# KiCad board nyx.kicad_pcb (continued)
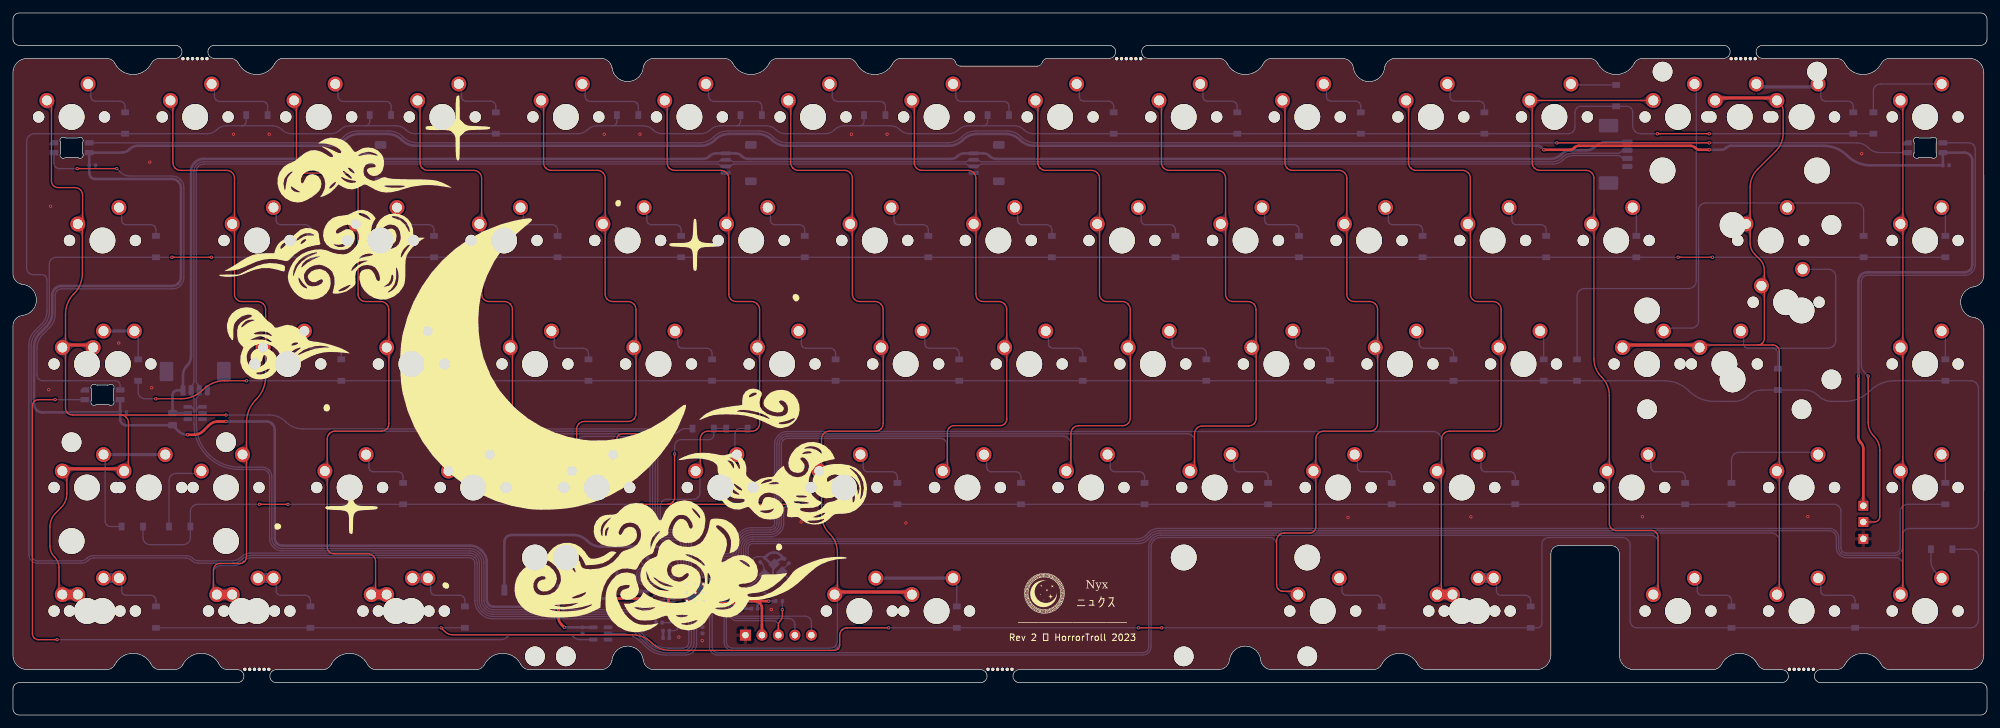
[diagram p0: board, top side]
## Copper pours and planes (outline as drawn; the poured copper is in the pictures) (continued)
Col10 on Bottom: 195.93,18.97 196.35,18.92 196.6,18.76 196.78,18.52 196.96,18.21 197.23,17.84 198.11,18.58 197.91,19.71 197.41,19.59 197.07,19.44 196.78,19.31 196.44,19.21 195.93,19.17
Col11 on Top: 224.78,73.51 224.81,73.98 224.89,74.31 225.03,74.58 225.19,74.89 225.38,75.33 224.3,75.73 223.42,74.99 223.77,74.65 224.09,74.43 224.34,74.23 224.51,73.95 224.58,73.51
Col11 on Top: 220.15,39.66 220.06,39.22 219.81,38.99 219.46,38.86 219.06,38.7 218.66,38.37 219.54,37.63 220.69,37.63 220.65,38.14 220.57,38.49 220.47,38.8 220.39,39.15 220.35,39.66
Col11 on Top: 219.62,17.83 220.15,17.81 220.52,17.75 220.83,17.66 221.2,17.56 221.72,17.44 221.92,18.58 221.72,19.71 221.2,19.6 220.83,19.5 220.52,19.41 220.15,19.35 219.62,19.33
Col11 on Top: 229.53,54.45 229.56,54.93 229.65,55.25 229.78,55.53 229.95,55.84 230.14,56.28 229.06,56.68 228.18,55.94 228.53,55.6 228.84,55.38 229.1,55.17 229.26,54.9 229.33,54.45
Col11 on Top: 224.58,77.95 224.51,77.5 224.34,77.23 224.09,77.03 223.77,76.81 223.42,76.47 224.3,75.73 225.38,76.12 225.19,76.57 225.03,76.88 224.89,77.15 224.81,77.47 224.78,77.95
Col11 on Top: 215.25,92.56 215.28,93.03 215.37,93.36 215.5,93.63 215.67,93.94 215.86,94.38 214.77,94.78 213.89,94.04 214.25,93.7 214.56,93.48 214.82,93.28 214.99,93 215.05,92.56
Col11 on Top: 220.3,35.56 220.31,35.98 220.33,36.28 220.38,36.54 220.47,36.83 220.62,37.23 219.54,37.63 218.66,36.89 219.05,36.55 219.44,36.38 219.77,36.23 220.01,36 220.1,35.56
Col11 on Top: 220.1,20.65 220.01,20.21 219.77,19.97 219.44,19.83 219.05,19.65 218.66,19.32 219.54,18.58 220.62,18.97 220.47,19.37 220.38,19.66 220.33,19.92 220.31,20.22 220.3,20.65
Col11 on Top: 229.33,58.9 229.26,58.46 229.1,58.18 228.84,57.98 228.53,57.76 228.18,57.42 229.06,56.68 230.14,57.07 229.95,57.52 229.78,57.83 229.65,58.1 229.56,58.43 229.53,58.9
Col11 on Top: 221.84,19.33 221.31,19.35 220.94,19.41 220.62,19.5 220.26,19.6 219.74,19.71 219.54,18.58 219.74,17.44 220.26,17.56 220.62,17.66 220.94,17.75 221.31,17.81 221.84,17.83
Col11 on Bottom: 220.1,39.7 220.01,39.26 219.77,39.02 219.44,38.88 219.05,38.7 218.66,38.37 219.54,37.63 220.62,38.02 220.47,38.42 220.38,38.71 220.33,38.97 220.31,39.27 220.3,39.7
Col12 on Top: 243.83,73.51 243.86,73.98 243.94,74.31 244.08,74.58 244.24,74.89 244.43,75.33 243.35,75.73 242.47,74.99 242.82,74.65 243.14,74.43 243.39,74.23 243.56,73.95 243.63,73.51
Col12 on Top: 234.3,92.56 234.33,93.03 234.42,93.36 234.55,93.63 234.72,93.94 234.91,94.38 233.82,94.78 232.94,94.04 233.3,93.7 233.61,93.48 233.87,93.28 234.04,93 234.1,92.56
Col12 on Top: 236.12,94.88 235.65,94.92 235.34,95.05 235.09,95.25 234.81,95.49 234.4,95.77 233.82,94.78 234.4,93.78 234.81,94.06 235.09,94.31 235.34,94.5 235.65,94.63 236.12,94.68
Col12 on Top: 250.57,94.68 251.05,94.63 251.36,94.5 251.61,94.31 251.89,94.06 252.3,93.78 252.88,94.78 252.3,95.77 251.89,95.49 251.61,95.25 251.36,95.05 251.05,94.92 250.57,94.88
Col12 on Top: 246,39.85 245.94,39.4 245.77,39.13 245.52,38.93 245.2,38.71 244.85,38.37 245.73,37.63 246.81,38.02 246.62,38.47 246.45,38.78 246.32,39.05 246.23,39.38 246.2,39.85
Col12 on Top: 253.5,20.6 253.4,20.16 253.15,19.94 252.8,19.81 252.39,19.65 251.99,19.32 252.87,18.58 254.02,18.58 253.99,19.08 253.91,19.44 253.81,19.74 253.73,20.09 253.7,20.6
Col12 on Top: 246.2,35.41 246.23,35.88 246.32,36.21 246.45,36.48 246.62,36.79 246.81,37.23 245.73,37.63 244.85,36.89 245.2,36.55 245.52,36.33 245.77,36.13 245.94,35.85 246,35.41
Col12 on Top: 243.63,77.95 243.56,77.5 243.39,77.23 243.14,77.03 242.82,76.81 242.47,76.47 243.35,75.73 244.43,76.12 244.24,76.57 244.08,76.88 243.94,77.15 243.86,77.47 243.83,77.95
Col12 on Bottom: 253.5,20.6 253.4,20.16 253.15,19.94 252.8,19.81 252.39,19.65 251.99,19.32 252.87,18.58 254.02,18.58 253.99,19.08 253.91,19.44 253.81,19.74 253.73,20.09 253.7,20.6
Col13 on Top: 272.2,20.8 272.14,20.35 271.97,20.08 271.71,19.88 271.4,19.66 271.04,19.32 271.92,18.58 273.01,18.97 272.82,19.42 272.65,19.73 272.52,20 272.43,20.32 272.4,20.8
Col13 on Top: 262.25,57.17 261.73,57.22 261.38,57.34 261.08,57.51 260.73,57.67 260.22,57.81 260.02,56.68 260.59,55.68 261.01,56.02 261.27,56.36 261.47,56.67 261.76,56.89 262.25,56.97
Col13 on Top: 269.9,68.39 269.83,67.94 269.64,67.68 269.36,67.49 269.03,67.28 268.66,66.94 269.54,66.2 270.62,66.6 270.45,67.03 270.3,67.34 270.19,67.61 270.12,67.93 270.1,68.39
Col13 on Top: 269.7,94.92 270.17,94.85 270.46,94.67 270.68,94.4 270.94,94.09 271.35,93.78 271.93,94.78 271.73,95.91 271.22,95.79 270.87,95.66 270.56,95.54 270.21,95.46 269.7,95.42
Col13 on Top: 272.2,39.85 272.14,39.4 271.97,39.13 271.71,38.93 271.4,38.71 271.04,38.37 271.92,37.63 273.01,38.02 272.82,38.47 272.65,38.78 272.52,39.05 272.43,39.37 272.4,39.85
Col13 on Top: 267.7,77.82 267.61,77.38 267.38,77.14 267.05,76.99 266.67,76.8 266.28,76.47 267.16,75.73 268.24,76.12 268.09,76.53 267.99,76.82 267.94,77.08 267.91,77.39 267.9,77.82
Col13 on Top: 257.79,56.82 258.26,56.75 258.55,56.57 258.77,56.3 259.03,55.99 259.44,55.68 260.02,56.68 259.82,57.81 259.31,57.69 258.96,57.56 258.66,57.44 258.3,57.36 257.79,57.32
Col13 on Top: 270.1,64.01 270.12,64.47 270.19,64.8 270.3,65.07 270.45,65.37 270.62,65.81 269.54,66.2 268.66,65.46 269.03,65.12 269.36,64.91 269.64,64.73 269.83,64.46 269.9,64.01
Col13 on Top: 250.34,57.32 249.83,57.36 249.47,57.44 249.17,57.56 248.82,57.69 248.31,57.81 248.11,56.68 248.69,55.68 249.1,55.99 249.36,56.3 249.58,56.57 249.87,56.75 250.34,56.82
Col13 on Top: 272.4,35.41 272.43,35.88 272.52,36.21 272.65,36.48 272.82,36.79 273.01,37.23 271.92,37.63 271.04,36.89 271.4,36.55 271.71,36.33 271.97,36.13 272.14,35.85 272.2,35.41
Col13 on Top: 267.9,73.63 267.91,74.07 267.94,74.37 267.99,74.63 268.09,74.93 268.24,75.33 267.16,75.73 266.28,74.99 266.67,74.65 267.05,74.47 267.38,74.32 267.61,74.08 267.7,73.63
Col13 on Top: 264.63,95.42 264.12,95.46 263.76,95.54 263.46,95.66 263.11,95.79 262.6,95.91 262.4,94.78 262.97,93.78 263.38,94.09 263.64,94.4 263.86,94.67 264.16,94.85 264.63,94.92
Col13 on Bottom: 272.2,20.8 272.14,20.35 271.97,20.08 271.71,19.88 271.4,19.66 271.04,19.32 271.92,18.58 273.01,18.97 272.82,19.42 272.65,19.73 272.52,20 272.43,20.32 272.4,20.8
Col14 on Top: 291.45,73.51 291.48,73.98 291.57,74.31 291.7,74.58 291.87,74.89 292.06,75.33 290.97,75.73 290.09,74.99 290.45,74.65 290.76,74.43 291.02,74.23 291.19,73.95 291.25,73.51
Col14 on Top: 291.45,54.46 291.48,54.93 291.57,55.26 291.7,55.53 291.87,55.84 292.06,56.28 290.97,56.68 290.09,55.94 290.45,55.6 290.76,55.38 291.02,55.18 291.19,54.9 291.25,54.46
Col14 on Top: 291.25,58.9 291.19,58.45 291.02,58.18 290.76,57.98 290.45,57.76 290.09,57.42 290.97,56.68 292.06,57.07 291.87,57.52 291.7,57.83 291.57,58.1 291.48,58.42 291.45,58.9
Col14 on Top: 291.25,77.95 291.19,77.5 291.02,77.23 290.76,77.03 290.45,76.81 290.09,76.47 290.97,75.73 292.06,76.12 291.87,76.57 291.7,76.88 291.57,77.15 291.48,77.47 291.45,77.95
Col14 on Top: 291.25,20.8 291.19,20.35 291.02,20.08 290.76,19.88 290.45,19.66 290.09,19.32 290.97,18.58 292.06,18.97 291.87,19.42 291.7,19.73 291.57,20 291.48,20.32 291.45,20.8
Col14 on Top: 291.45,35.41 291.48,35.88 291.57,36.21 291.7,36.48 291.87,36.79 292.06,37.23 290.97,37.63 290.09,36.89 290.45,36.55 290.76,36.33 291.02,36.13 291.19,35.85 291.25,35.41
Col14 on Top: 291.45,92.56 291.48,93.03 291.57,93.36 291.7,93.63 291.87,93.94 292.06,94.38 290.97,94.78 290.09,94.04 290.45,93.7 290.76,93.48 291.02,93.28 291.19,93 291.25,92.56
Col14 on Top: 291.25,39.85 291.19,39.4 291.02,39.13 290.76,38.93 290.45,38.71 290.09,38.37 290.97,37.63 292.06,38.02 291.87,38.47 291.7,38.78 291.57,39.05 291.48,39.37 291.45,39.85
Col14 on Bottom: 291.25,20.8 291.19,20.35 291.02,20.08 290.76,19.88 290.45,19.66 290.09,19.32 290.97,18.58 292.06,18.97 291.87,19.42 291.7,19.73 291.57,20 291.48,20.32 291.45,20.8
SWCLK on Bottom: 122.98,14.02 122.94,13.65 122.82,13.41 122.66,13.22 122.48,12.99 122.29,12.65 123.08,12.32 123.87,12.65 123.68,12.99 123.5,13.22 123.34,13.41 123.22,13.65 123.18,14.02
SWDIO on Bottom: 120.44,13.95 120.4,13.59 120.28,13.37 120.12,13.19 119.93,12.97 119.75,12.65 120.54,12.32 121.33,12.65 121.15,12.97 120.96,13.19 120.8,13.37 120.68,13.59 120.64,13.95
UG_LED on Top: 286.77,29.87 286.62,29.94 286.47,30.05 286.32,30.18 286.16,30.34 286.01,30.53 285.25,29.77 286.01,29.01 286.16,29.2 286.32,29.37 286.47,29.5 286.62,29.6 286.77,29.67
~{NRST} on Top: 117.9,13.83 117.85,13.51 117.73,13.3 117.57,13.14 117.39,12.95 117.21,12.65 118,12.32 118.79,12.65 118.61,12.95 118.43,13.14 118.27,13.3 118.15,13.51 118.1,13.83
~{NRST} on Bottom: 117.9,13.75 117.85,13.44 117.73,13.25 117.56,13.11 117.38,12.93 117.21,12.65 118,12.32 118.79,12.65 118.62,12.93 118.44,13.11 118.27,13.25 118.15,13.44 118.1,13.75
Net-(D1-A) on Bottom: 12.1,95.34 12.13,95.75 12.21,96.03 12.34,96.27 12.49,96.54 12.66,96.92 11.57,97.32 10.69,96.58 11.03,96.28 11.36,96.11 11.64,95.96 11.83,95.74 11.9,95.34
Net-(D2-A) on Bottom: 31.15,95.47 31.18,95.85 31.27,96.11 31.4,96.32 31.55,96.57 31.71,96.92 30.62,97.32 29.74,96.58 30.07,96.3 30.4,96.15 30.68,96.03 30.88,95.84 30.95,95.47
Net-(D3-A) on Bottom: 50.2,95.47 50.23,95.85 50.32,96.11 50.45,96.32 50.6,96.57 50.76,96.92 49.67,97.32 48.79,96.58 49.12,96.3 49.45,96.15 49.73,96.03 49.93,95.84 50,95.47
Net-(D4-A) on Bottom: 69.25,95.34 69.28,95.75 69.36,96.03 69.49,96.27 69.64,96.54 69.81,96.92 68.72,97.32 67.84,96.58 68.18,96.28 68.51,96.11 68.79,95.96 68.98,95.74 69.05,95.34
Net-(D5-A) on Bottom: 88.3,95.47 88.33,95.85 88.42,96.11 88.55,96.32 88.7,96.57 88.86,96.92 87.77,97.32 86.89,96.58 87.22,96.3 87.55,96.15 87.83,96.03 88.03,95.84 88.1,95.47
Net-(D6-A) on Bottom: 107.35,95.47 107.38,95.85 107.47,96.11 107.6,96.32 107.75,96.57 107.91,96.92 106.82,97.32 105.94,96.58 106.27,96.3 106.6,96.15 106.88,96.03 107.08,95.84 107.15,95.47
Net-(D7-A) on Bottom: 126.4,95.47 126.43,95.85 126.52,96.11 126.65,96.32 126.8,96.57 126.96,96.92 125.87,97.32 124.99,96.58 125.32,96.3 125.65,96.15 125.93,96.03 126.13,95.84 126.2,95.47
Net-(D8-A) on Bottom: 145.45,95.47 145.48,95.85 145.57,96.11 145.7,96.32 145.85,96.57 146.01,96.92 144.92,97.32 144.04,96.58 144.37,96.3 144.7,96.15 144.98,96.03 145.18,95.84 145.25,95.47
Net-(D9-A) on Bottom: 164.5,95.34 164.53,95.75 164.61,96.03 164.74,96.27 164.89,96.54 165.06,96.92 163.97,97.32 163.09,96.58 163.43,96.28 163.76,96.11 164.04,95.96 164.23,95.74 164.3,95.34
Net-(D10-A) on Bottom: 183.55,95.34 183.58,95.75 183.66,96.03 183.79,96.27 183.94,96.54 184.11,96.92 183.02,97.32 182.14,96.58 182.48,96.28 182.81,96.11 183.09,95.96 183.28,95.74 183.35,95.34
Net-(D11-A) on Bottom: 202.6,95.34 202.63,95.75 202.71,96.03 202.84,96.27 202.99,96.54 203.16,96.92 202.07,97.32 201.19,96.58 201.53,96.28 201.86,96.11 202.14,95.96 202.33,95.74 202.4,95.34
Net-(D12-A) on Bottom: 221.65,95.34 221.68,95.75 221.76,96.03 221.89,96.27 222.04,96.54 222.21,96.92 221.12,97.32 220.24,96.58 220.58,96.28 220.91,96.11 221.19,95.96 221.38,95.74 221.45,95.34
Net-(D13-A) on Bottom: 242.45,97.27 241.97,97.33 241.67,97.5 241.43,97.73 241.16,98.01 240.75,98.31 240.17,97.32 240.75,96.32 241.15,96.58 241.43,96.79 241.68,96.94 241.99,97.04 242.45,97.07
Net-(D14-A) on Bottom: 278.8,95.34 278.83,95.75 278.91,96.03 279.04,96.27 279.19,96.54 279.36,96.92 278.27,97.32 277.39,96.58 277.73,96.28 278.06,96.11 278.34,95.96 278.53,95.74 278.6,95.34
Net-(D14-A) on Bottom: 270.95,97.12 270.48,97.2 270.19,97.4 269.98,97.68 269.73,98 269.32,98.31 268.75,97.32 268.95,96.18 269.45,96.3 269.79,96.42 270.09,96.52 270.45,96.59 270.95,96.62
Net-(D14-A) on Bottom: 276.07,96.62 276.58,96.59 276.93,96.52 277.23,96.42 277.58,96.3 278.08,96.18 278.28,97.32 277.7,98.31 277.29,98 277.04,97.68 276.83,97.4 276.55,97.2 276.07,97.12
Net-(D15-A) on Bottom: 295.02,97.22 295.5,97.17 295.81,97.04 296.06,96.85 296.34,96.6 296.75,96.32 297.33,97.32 296.75,98.31 296.34,98.03 296.06,97.79 295.81,97.59 295.5,97.46 295.02,97.42
Net-(D16-A) on Bottom: 16.86,76.29 16.89,76.7 16.98,76.98 17.1,77.22 17.25,77.49 17.42,77.87 16.34,78.27 15.46,77.53 15.8,77.23 16.12,77.06 16.4,76.91 16.59,76.69 16.66,76.29
Net-(D17-A) on Bottom: 40.68,76.29 40.71,76.7 40.79,76.98 40.91,77.22 41.06,77.49 41.23,77.87 40.15,78.27 39.27,77.53 39.61,77.23 39.93,77.06 40.21,76.91 40.4,76.69 40.48,76.29
Net-(D18-A) on Bottom: 59.73,76.29 59.76,76.7 59.84,76.98 59.96,77.22 60.11,77.49 60.28,77.87 59.2,78.27 58.32,77.53 58.66,77.23 58.98,77.06 59.26,76.91 59.45,76.69 59.53,76.29
Net-(D19-A) on Bottom: 78.78,76.29 78.81,76.7 78.89,76.98 79.01,77.22 79.16,77.49 79.33,77.87 78.25,78.27 77.37,77.53 77.71,77.23 78.03,77.06 78.31,76.91 78.5,76.69 78.58,76.29
Net-(D20-A) on Bottom: 97.83,76.29 97.86,76.7 97.94,76.98 98.06,77.22 98.21,77.49 98.38,77.87 97.3,78.27 96.42,77.53 96.76,77.23 97.08,77.06 97.36,76.91 97.55,76.69 97.63,76.29
Net-(D21-A) on Bottom: 116.88,76.29 116.91,76.7 116.99,76.98 117.11,77.22 117.26,77.49 117.43,77.87 116.35,78.27 115.47,77.53 115.81,77.23 116.13,77.06 116.41,76.91 116.6,76.69 116.68,76.29
Net-(D22-A) on Bottom: 135.93,76.29 135.96,76.7 136.04,76.98 136.16,77.22 136.31,77.49 136.48,77.87 135.4,78.27 134.52,77.53 134.86,77.23 135.18,77.06 135.46,76.91 135.65,76.69 135.73,76.29
Net-(D23-A) on Bottom: 154.98,76.29 155.01,76.7 155.09,76.98 155.21,77.22 155.36,77.49 155.53,77.87 154.45,78.27 153.57,77.53 153.91,77.23 154.23,77.06 154.51,76.91 154.7,76.69 154.78,76.29
Net-(D24-A) on Bottom: 174.03,76.29 174.06,76.7 174.14,76.98 174.26,77.22 174.41,77.49 174.58,77.87 173.5,78.27 172.62,77.53 172.96,77.23 173.28,77.06 173.56,76.91 173.75,76.69 173.83,76.29
Net-(D25-A) on Bottom: 193.08,76.29 193.11,76.7 193.19,76.98 193.31,77.22 193.46,77.49 193.63,77.87 192.55,78.27 191.67,77.53 192.01,77.23 192.33,77.06 192.61,76.91 192.8,76.69 192.88,76.29
Net-(D26-A) on Bottom: 212.13,76.29 212.16,76.7 212.24,76.98 212.36,77.22 212.51,77.49 212.68,77.87 211.6,78.27 210.72,77.53 211.06,77.23 211.38,77.06 211.66,76.91 211.85,76.69 211.93,76.29
Net-(D27-A) on Bottom: 231.18,76.29 231.21,76.7 231.29,76.98 231.41,77.22 231.56,77.49 231.73,77.87 230.65,78.27 229.77,77.53 230.11,77.23 230.43,77.06 230.71,76.91 230.9,76.69 230.98,76.29
Net-(D28-A) on Bottom: 250.36,76.12 250.37,76.56 250.42,76.88 250.5,77.15 250.62,77.45 250.78,77.87 249.7,78.27 248.82,77.53 249.2,77.19 249.56,76.99 249.87,76.82 250.08,76.57 250.16,76.12
Net-(D29-A) on Bottom: 275.56,79.07 275.1,79.09 274.77,79.14 274.49,79.21 274.17,79.3 273.71,79.4 273.51,78.27 274.39,77.53 274.65,77.93 274.8,78.3 274.93,78.6 275.15,78.8 275.56,78.87
Net-(D29-A) on Bottom: 271.46,78.87 271.87,78.8 272.09,78.6 272.23,78.3 272.38,77.93 272.63,77.53 273.51,78.27 273.31,79.4 272.85,79.3 272.53,79.21 272.25,79.14 271.93,79.09 271.46,79.07
Net-(D29-A) on Bottom: 256.66,59.77 256.15,59.82 255.8,59.92 255.51,60.07 255.16,60.22 254.66,60.35 254.46,59.22 255.04,58.22 255.46,58.56 255.7,58.92 255.89,59.25 256.17,59.48 256.66,59.57
Net-(D30-A) on Bottom: 298,76.12 298.01,76.57 298.05,76.88 298.13,77.15 298.41,77.87 297.32,78.27 296.44,77.53 296.83,77.19 297.19,76.99 297.5,76.82 297.72,76.57 297.8,76.12
Net-(D31-A) on Bottom: 19.4,57.08 19.41,57.52 19.45,57.84 19.53,58.1 19.64,58.41 19.8,58.82 18.72,59.22 17.84,58.48 18.22,58.14 18.9,57.78 19.12,57.53 19.2,57.08
Net-(D31-A) on Bottom: 16.26,59.47 15.79,59.5 15.48,59.59 15.22,59.75 14.93,59.96 14.53,60.21 13.96,59.22 14.53,58.22 14.93,58.48 15.22,58.69 15.48,58.84 15.79,58.94 16.26,58.97
Net-(D31-A) on Bottom: 16.42,58.97 16.88,58.94 17.2,58.84 17.46,58.69 17.74,58.48 18.14,58.22 18.72,59.22 18.14,60.21 17.74,59.96 17.46,59.75 17.2,59.59 16.88,59.5 16.42,59.47
Net-(D32-A) on Bottom: 45.44,57.24 45.47,57.65 45.55,57.93 45.67,58.17 45.83,58.44 45.99,58.82 44.91,59.22 44.03,58.48 44.37,58.18 44.7,58.01 44.97,57.86 45.17,57.64 45.24,57.24
Net-(D33-A) on Bottom: 64.49,57.24 64.52,57.65 64.6,57.93 64.72,58.17 64.88,58.44 65.04,58.82 63.96,59.22 63.08,58.48 63.42,58.18 63.75,58.01 64.02,57.86 64.22,57.64 64.29,57.24
Net-(D34-A) on Bottom: 83.54,57.24 83.57,57.65 83.65,57.93 83.77,58.17 83.93,58.44 84.09,58.82 83.01,59.22 82.13,58.48 82.47,58.18 82.8,58.01 83.07,57.86 83.27,57.64 83.34,57.24
Net-(D35-A) on Bottom: 102.59,57.24 102.62,57.65 102.7,57.93 102.82,58.17 102.98,58.44 103.14,58.82 102.06,59.22 101.18,58.48 101.52,58.18 101.85,58.01 102.12,57.86 102.32,57.64 102.39,57.24
Net-(D36-A) on Bottom: 121.64,57.24 121.67,57.65 121.75,57.93 121.87,58.17 122.03,58.44 122.19,58.82 121.11,59.22 120.23,58.48 120.57,58.18 120.9,58.01 121.17,57.86 121.37,57.64 121.44,57.24
Net-(D37-A) on Bottom: 140.69,57.24 140.72,57.65 140.8,57.93 140.92,58.17 141.08,58.44 141.24,58.82 140.16,59.22 139.28,58.48 139.62,58.18 139.95,58.01 140.22,57.86 140.42,57.64 140.49,57.24
Net-(D38-A) on Bottom: 159.74,57.24 159.77,57.65 159.85,57.93 159.97,58.17 160.13,58.44 160.29,58.82 159.21,59.22 158.33,58.48 158.67,58.18 159,58.01 159.27,57.86 159.47,57.64 159.54,57.24
Net-(D39-A) on Bottom: 178.79,57.24 178.82,57.65 178.9,57.93 179.02,58.17 179.18,58.44 179.34,58.82 178.26,59.22 177.38,58.48 177.72,58.18 178.05,58.01 178.32,57.86 178.52,57.64 178.59,57.24
Net-(D40-A) on Bottom: 197.84,57.24 197.87,57.65 197.95,57.93 198.07,58.17 198.23,58.44 198.39,58.82 197.31,59.22 196.43,58.48 196.77,58.18 197.1,58.01 197.37,57.86 197.57,57.64 197.64,57.24
Net-(D41-A) on Bottom: 216.89,57.24 216.92,57.65 217,57.93 217.12,58.17 217.28,58.44 217.44,58.82 216.36,59.22 215.48,58.48 215.82,58.18 216.15,58.01 216.42,57.86 216.62,57.64 216.69,57.24
Net-(D42-A) on Bottom: 236.08,57.07 236.09,57.52 236.13,57.83 236.21,58.1 236.33,58.4 236.49,58.82 235.41,59.22 234.53,58.48 234.91,58.14 235.27,57.94 235.58,57.77 235.8,57.52 235.88,57.07
Net-(D43-A) on Bottom: 278.19,68.84 277.72,68.89 277.41,69.02 277.16,69.21 276.88,69.46 276.47,69.74 275.89,68.74 276.47,67.75 276.88,68.03 277.16,68.27 277.41,68.47 277.72,68.6 278.19,68.64
Net-(D43-A) on Bottom: 266.89,57.24 266.92,57.65 267.01,57.93 267.13,58.17 267.28,58.44 267.45,58.82 266.37,59.22 265.49,58.48 265.83,58.18 266.15,58.01 266.43,57.86 266.62,57.64 266.69,57.24
Net-(D44-A) on Bottom: 298,57.07 298.01,57.52 298.05,57.83 298.13,58.1 298.41,58.82 297.32,59.22 296.44,58.48 296.83,58.14 297.19,57.94 297.5,57.77 297.72,57.52 297.8,57.07
Net-(D45-A) on Bottom: 21.18,39.92 21.64,39.89 21.96,39.79 22.22,39.64 22.5,39.43 22.91,39.17 23.48,40.17 22.91,41.16 22.5,40.91 22.22,40.7 21.96,40.54 21.64,40.45 21.18,40.42
Net-(D45-A) on Bottom: 14.3,37.9 14.34,38.39 14.46,38.72 14.63,39 14.83,39.31 15.04,39.77 13.96,40.17 13.08,39.43 13.41,39.09 13.69,38.85 13.91,38.63 14.05,38.35 14.1,37.9
Net-(D45-A) on Bottom: 16.26,40.42 15.79,40.45 15.48,40.54 15.22,40.7 14.93,40.91 14.53,41.16 13.96,40.17 14.53,39.17 14.93,39.43 15.22,39.64 15.48,39.79 15.79,39.89 16.26,39.92
Net-(D46-A) on Bottom: 54.96,38.19 54.99,38.6 55.08,38.88 55.2,39.12 55.35,39.39 55.52,39.77 54.44,40.17 53.56,39.43 53.9,39.13 54.22,38.96 54.5,38.81 54.69,38.59 54.76,38.19
Net-(D47-A) on Bottom: 74.01,38.19 74.04,38.6 74.13,38.88 74.25,39.12 74.4,39.39 74.57,39.77 73.49,40.17 72.61,39.43 72.95,39.13 73.27,38.96 73.55,38.81 73.74,38.59 73.81,38.19
Net-(D48-A) on Top: 93,42.32 92.92,41.87 92.71,41.62 92.4,41.45 92.04,41.25 91.66,40.91 92.54,40.17 93.62,40.56 93.46,40.98 93.34,41.29 93.26,41.55 93.21,41.87 93.2,42.32
Net-(D49-A) on Bottom: 111.2,42.42 111.16,41.93 111.05,41.6 110.9,41.33 110.71,41.02 110.51,40.56 111.59,40.17 112.47,40.91 112.13,41.25 111.84,41.48 111.6,41.69 111.45,41.97 111.4,42.42
Net-(D50-A) on Bottom: 131.16,38.19 131.19,38.6 131.28,38.88 131.4,39.12 131.55,39.39 131.72,39.77 130.64,40.17 129.76,39.43 130.1,39.13 130.42,38.96 130.7,38.81 130.89,38.59 130.96,38.19
Net-(D51-A) on Bottom: 150.21,38.19 150.24,38.6 150.33,38.88 150.45,39.12 150.6,39.39 150.77,39.77 149.69,40.17 148.81,39.43 149.15,39.13 149.47,38.96 149.75,38.81 149.94,38.59 150.01,38.19
Net-(D52-A) on Bottom: 169.26,38.19 169.29,38.6 169.38,38.88 169.5,39.12 169.65,39.39 169.82,39.77 168.74,40.17 167.86,39.43 168.2,39.13 168.52,38.96 168.8,38.81 168.99,38.59 169.06,38.19
Net-(D53-A) on Bottom: 188.31,38.19 188.34,38.6 188.43,38.88 188.55,39.12 188.7,39.39 188.87,39.77 187.79,40.17 186.91,39.43 187.25,39.13 187.57,38.96 187.85,38.81 188.04,38.59 188.11,38.19
Net-(D54-A) on Bottom: 207.36,38.19 207.39,38.6 207.48,38.88 207.6,39.12 207.75,39.39 207.92,39.77 206.84,40.17 205.96,39.43 206.3,39.13 206.62,38.96 206.9,38.81 207.09,38.59 207.16,38.19
Net-(D55-A) on Bottom: 226.41,38.19 226.44,38.6 226.53,38.88 226.65,39.12 226.8,39.39 226.97,39.77 225.89,40.17 225.01,39.43 225.35,39.13 225.67,38.96 225.95,38.81 226.14,38.59 226.21,38.19
Net-(D56-A) on Bottom: 252.61,38.19 252.64,38.6 252.72,38.88 252.84,39.12 252.99,39.39 253.16,39.77 252.08,40.17 251.2,39.43 251.54,39.13 251.86,38.96 252.14,38.81 252.33,38.59 252.41,38.19
Net-(D57-A) on Bottom: 276.04,40.42 276.52,40.34 276.81,40.13 277.03,39.84 277.28,39.5 277.7,39.17 278.28,40.17 278.08,41.3 277.56,41.16 277.21,40.98 276.91,40.81 276.56,40.67 276.04,40.62
Net-(D58-A) on Bottom: 298,38.02 298.01,38.47 298.05,38.78 298.13,39.05 298.41,39.77 297.32,40.17 296.44,39.43 296.83,39.09 297.19,38.89 297.5,38.72 297.72,38.47 297.8,38.02
Net-(D59-A) on Bottom: 16.26,21.87 15.73,21.89 15.36,21.95 15.04,22.04 14.68,22.14 14.16,22.25 13.96,21.12 14.16,19.98 14.68,20.1 15.04,20.2 15.36,20.29 15.73,20.35 16.26,20.37
Net-(D59-A) on Bottom: 16.86,19.14 16.89,19.55 16.98,19.83 17.1,20.07 17.25,20.34 17.42,20.72 16.34,21.12 15.46,20.38 15.8,20.08 16.12,19.91 16.4,19.76 16.59,19.54 16.66,19.14
Net-(D59-A) on Bottom: 14.04,20.37 14.56,20.35 14.94,20.29 15.25,20.2 15.62,20.1 16.14,19.98 16.34,21.12 16.14,22.25 15.62,22.14 15.25,22.04 14.94,21.95 14.56,21.89 14.04,21.87
Net-(D60-A) on Bottom: 37.85,20.37 38.38,20.35 38.75,20.29 39.06,20.2 39.43,20.1 39.95,19.98 40.15,21.12 39.95,22.25 39.43,22.14 39.06,22.04 38.75,21.95 38.38,21.89 37.85,21.87
Net-(D60-A) on Bottom: 40.68,19.14 40.71,19.55 40.79,19.83 40.91,20.07 41.06,20.34 41.23,20.72 40.15,21.12 39.27,20.38 39.61,20.08 39.93,19.91 40.21,19.76 40.4,19.54 40.48,19.14
Net-(D60-A) on Bottom: 40.07,21.87 39.54,21.89 39.17,21.95 38.85,22.04 38.49,22.14 37.97,22.25 37.77,21.12 37.97,19.98 38.49,20.1 38.85,20.2 39.17,20.29 39.54,20.35 40.07,20.37
Net-(D61-A) on Bottom: 61.66,20.37 62.19,20.35 62.56,20.29 62.88,20.2 63.24,20.1 63.76,19.98 63.96,21.12 63.76,22.25 63.24,22.14 62.88,22.04 62.56,21.95 62.19,21.89 61.66,21.87
Net-(D61-A) on Bottom: 64.49,19.14 64.52,19.55 64.6,19.83 64.72,20.07 64.88,20.34 65.04,20.72 63.96,21.12 63.08,20.38 63.42,20.08 63.75,19.91 64.02,19.76 64.22,19.54 64.29,19.14
Net-(D61-A) on Bottom: 63.88,21.87 63.35,21.89 62.98,21.95 62.67,22.04 62.3,22.14 61.78,22.25 61.58,21.12 61.78,19.98 62.3,20.1 62.67,20.2 62.98,20.29 63.35,20.35 63.88,20.37
Net-(D62-A) on Bottom: 135.32,21.37 134.86,21.4 134.54,21.49 134.28,21.65 134,21.86 133.59,22.11 133.02,21.12 133.59,20.12 134,20.38 134.28,20.59 134.54,20.74 134.86,20.84 135.32,20.87
Net-(D62-A) on Bottom: 145.6,18.97 145.61,19.42 145.65,19.73 145.73,20 146.01,20.72 144.92,21.12 144.04,20.38 144.43,20.04 144.79,19.84 145.1,19.67 145.32,19.42 145.4,18.97
Net-(D62-A) on Bottom: 142.62,20.87 143.09,20.84 143.4,20.74 143.66,20.59 143.95,20.38 144.35,20.12 144.93,21.12 144.35,22.11 143.95,21.86 143.66,21.65 143.4,21.49 143.09,21.4 142.62,21.37
Net-(D63-A) on Bottom: 204.98,19.14 205.01,19.55 205.09,19.83 205.22,20.07 205.37,20.34 205.54,20.72 204.46,21.12 203.58,20.38 203.91,20.08 204.24,19.91 204.52,19.76 204.71,19.54 204.78,19.14
Net-(D64-A) on Bottom: 228.79,19.14 228.82,19.55 228.91,19.83 229.03,20.07 229.18,20.34 229.35,20.72 228.27,21.12 227.39,20.38 227.73,20.08 228.05,19.91 228.33,19.76 228.52,19.54 228.59,19.14
Net-(D64-A) on Bottom: 225.97,20.37 226.5,20.35 226.87,20.29 227.18,20.2 227.55,20.1 228.07,19.98 228.27,21.12 228.07,22.25 227.55,22.14 227.18,22.04 226.87,21.95 226.5,21.89 225.97,21.87
Net-(D64-A) on Bottom: 228.19,21.87 227.66,21.89 227.29,21.95 226.97,22.04 226.61,22.14 226.09,22.25 225.89,21.12 226.09,19.98 226.61,20.1 226.97,20.2 227.29,20.29 227.66,20.35 228.19,20.37
Net-(D65-A) on Bottom: 259.75,19.14 259.78,19.55 259.86,19.83 259.99,20.07 260.14,20.34 260.31,20.72 259.22,21.12 258.34,20.38 258.68,20.08 259.01,19.91 259.29,19.76 259.48,19.54 259.55,19.14
Net-(D66-A) on Bottom: 278.8,19.14 278.83,19.55 278.91,19.83 279.04,20.07 279.19,20.34 279.36,20.72 278.27,21.12 277.39,20.38 277.73,20.08 278.06,19.91 278.34,19.76 278.53,19.54 278.6,19.14
Net-(D67-A) on Bottom: 296.34,21.96 296.4,21.88 296.4,21.8 296.36,21.72 296.3,21.63 296.24,21.51 297.33,21.12 297.13,22.25 296.95,22.19 296.82,22.11 296.71,22.04 296.6,22.03 296.48,22.11
Net-(D68-A) on Bottom: 259.6,95.06 259.64,95.55 259.75,95.88 259.91,96.15 260.1,96.47 260.31,96.92 259.22,97.32 258.34,96.58 258.68,96.24 258.97,96.01 259.2,95.79 259.35,95.51 259.4,95.06
Net-(D69-A) on Bottom: 26.8,37.17 27.32,37.12 27.68,36.99 27.97,36.81 28.32,36.64 28.84,36.49 29.04,37.63 28.46,38.62 28.04,38.29 27.79,37.96 27.58,37.66 27.29,37.45 26.8,37.37

Small or netless copper shapes (teardrops, artwork), in the pictures only: 44 on Top, 303 on Bottom

## Text on the board
B.Fab: J2 | 1N4148
F.Silkscreen: ニュクス | Rev 2 Ⓒ HorrorTroll 2023 | Nyx | ________________
